# KiCad board RP2040-Breadstick Panel.kicad_pcb (continued)
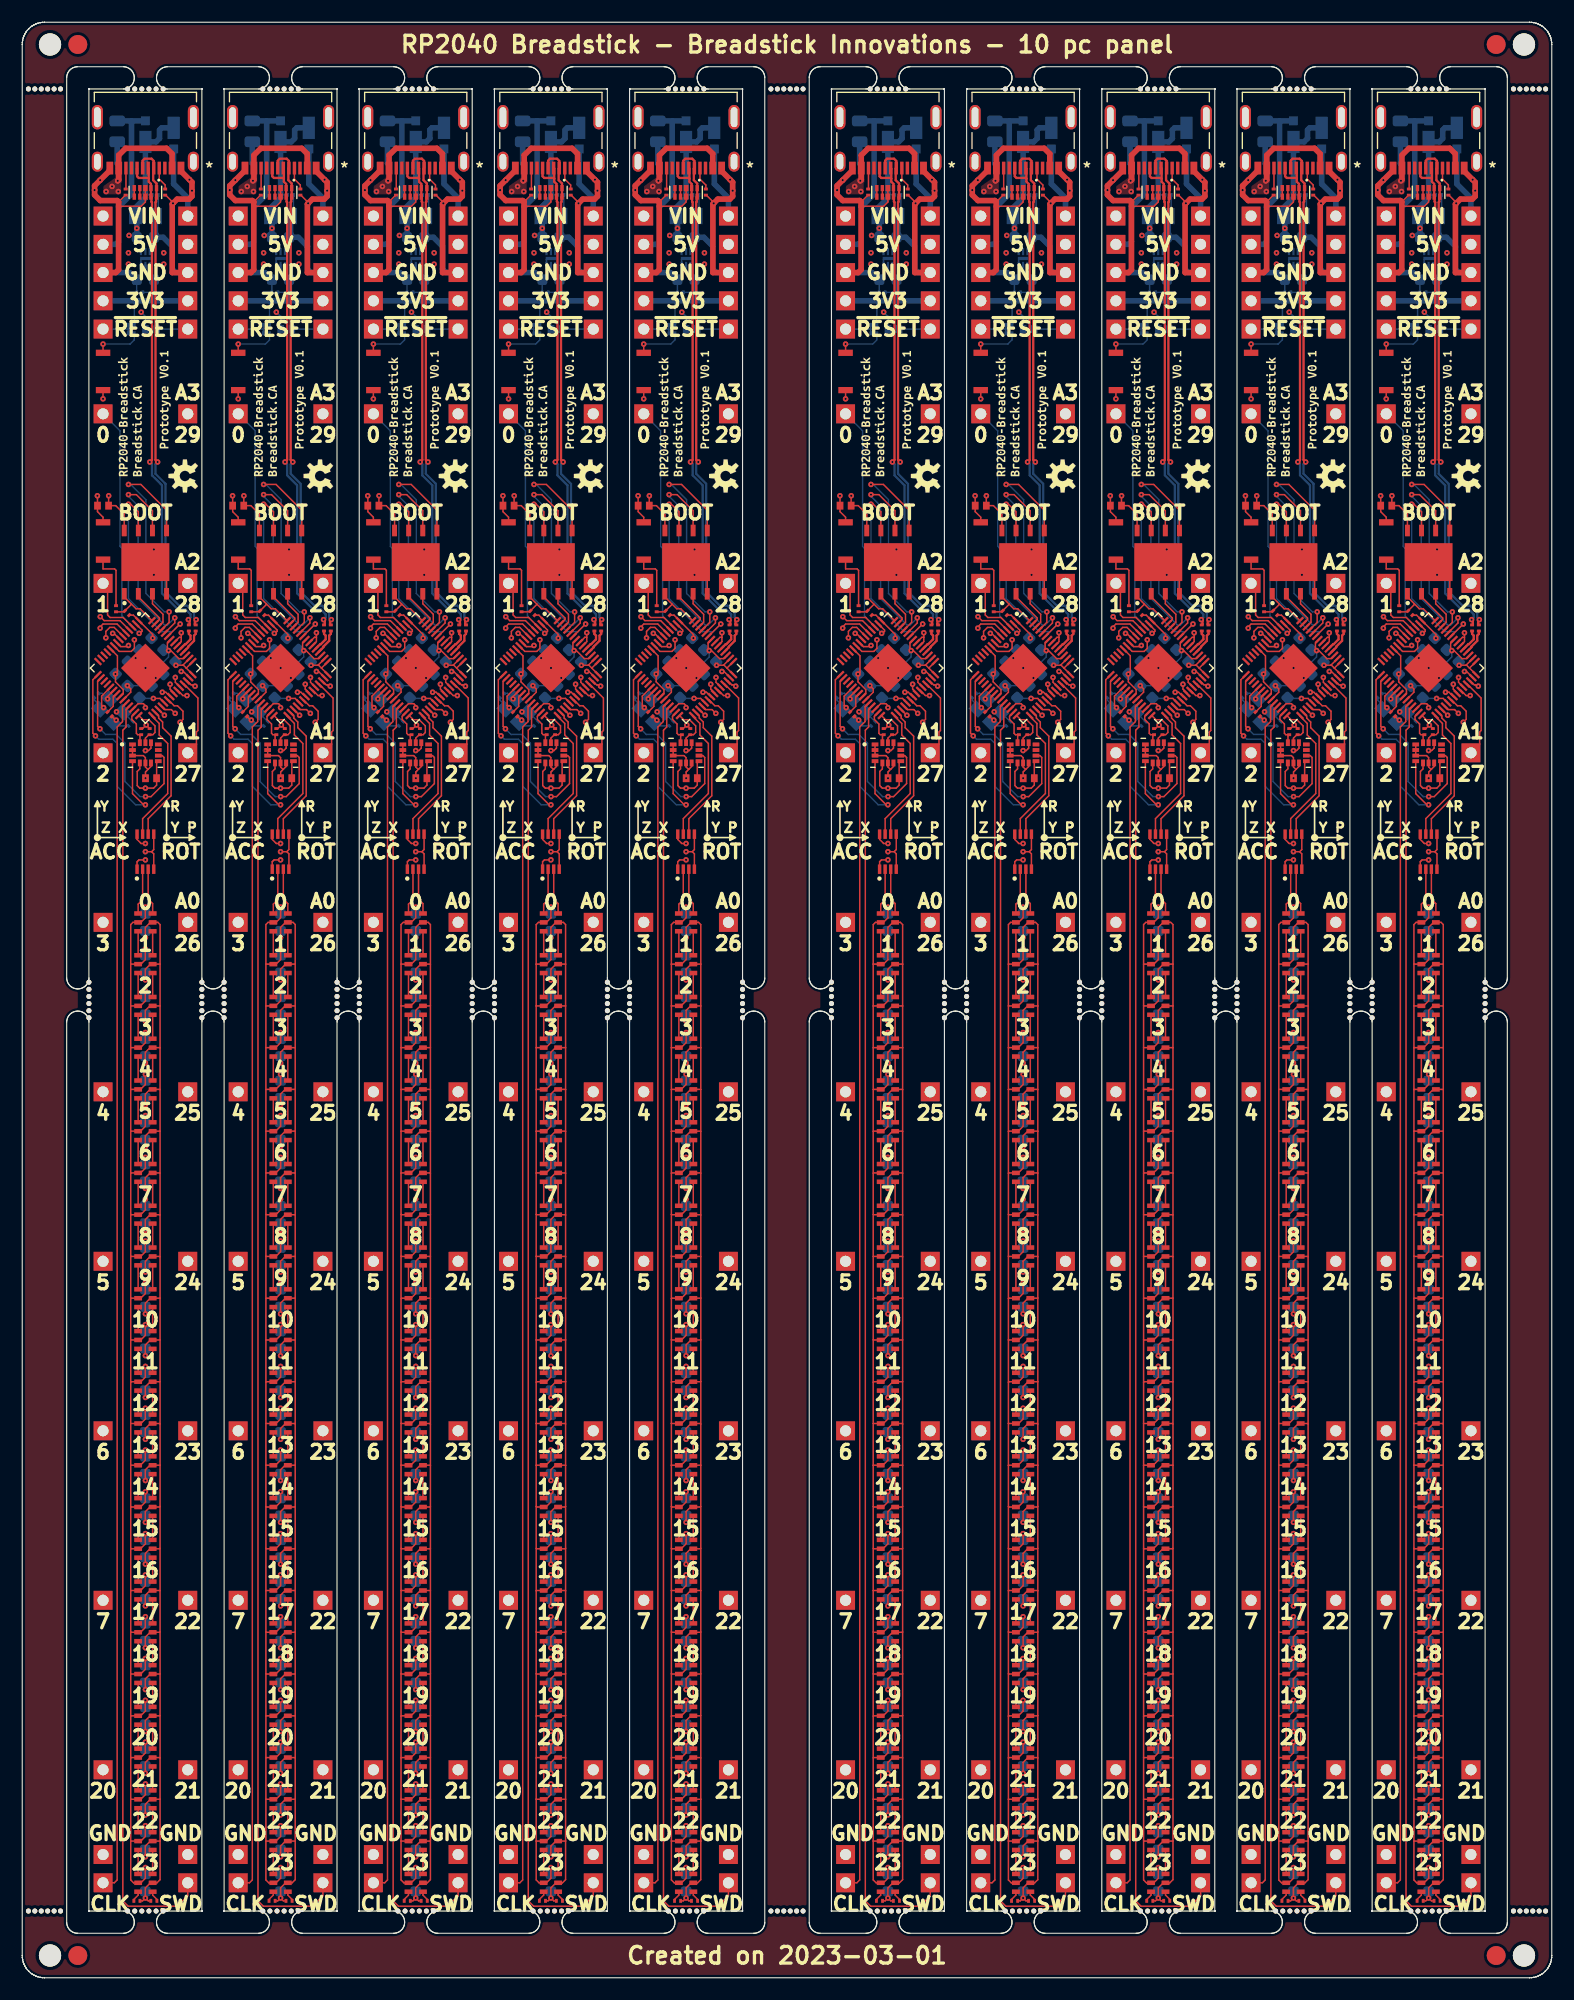
[diagram p0: board, top side]
## Routing (per net, layer and track width the routed paths; a pad name or vN(x,y) marks a point on that pad's centre or on a via; arc(x,y) is an arc through that point) (continued)
Board_3-+1V1: length 10.2
  L1_SIG.Cu w0.127: U201#2.23 46.24,115.59 46.24,115.88 v1(45.94,116.18) ; U201#2.45 50.96,118.61 50.57,118.61 49.85,119.33 v1(49.64,119.33) 49.54,119.44 49.54,120.02 U201#2.50
  L8_SIG.Cu w0.127: v1(49.64,119.33) 49.64,118.76 47.06,116.18 v1(45.94,116.18)
Board_3-/Addressable RGB LEDs/CLK: length 4.1
  L1_SIG.Cu w0.127: IC301#6.2 47.31,96.94 46.91,96.54 LED301.4
Board_3-/Addressable RGB LEDs/DATA: length 4.1
  L1_SIG.Cu w0.127: IC301#6.3 47.81,96.99 48.21,96.59 LED301.3
Board_3-/RP2040/ADC0: length 26.2
  L1_SIG.Cu w0.127: U201#2.38 50.25,116.48 v1(50.25,116.92)
  L3_SIG.Cu w0.127: J220#6.1 51.37,107.85 50.25,108.97 50.25,111.27 51.84,111.27 52.28,111.71 52.28,115.02 50.38,116.92 v1(50.25,116.92)
Board_3-/RP2040/ADC1: length 7.1
  L1_SIG.Cu w0.127: J219#4.1 52.15,110.92 52.15,112.01 52.28,112.15 52.28,115.07 51.03,116.32 U201#2.39
Board_3-/RP2040/ADC2: length 12.9
  L1_SIG.Cu w0.127: U201#2.40 51.32,116.6 51.67,116.25 51.78,116.25 51.9,116.13 v1(52.03,116.13)
  L3_SIG.Cu w0.127: v1(52.03,116.13) 52.03,118.91 49.16,121.78 49.16,124.11 50.43,125.38 J218#10.1
Board_3-/RP2040/ADC3: length 26.9
  L1_SIG.Cu w0.127: U201#2.41 50.98,117.46 v1(50.79,117.46)
  L3_SIG.Cu w0.127: v1(50.79,117.46) 51.14,117.81 51.14,118.62 48.14,121.62 48.14,124.45 49.67,125.98 49.67,128.07 51.37,129.77 J217.1
Board_3-/RP2040/D0: length 22.3
  L1_SIG.Cu w0.127: v1(47,120.88) 47.08,120.88 47.26,121.06 47.26,121.18 U201#2.2
  L8_SIG.Cu w0.127: v1(47,120.88) 45.45,122.43 45.45,128.53 45.27,128.71 45.27,139.1 J205#4.1
Board_3-/RP2040/D1: length 5.7
  L1_SIG.Cu w0.127: J206#8.1 44.16,124.97 44.16,122.54 44.39,122.31 45.56,122.31 U201#2.3
Board_3-/RP2040/D2: length 16.5
  L1_SIG.Cu w0.127: U201#2.4 45.27,122.03 43.85,122.03 v1(43.5,122.38)
  L3_SIG.Cu w0.127: v1(43.5,122.38) 42.86,121.74 42.86,113.26 43.19,112.93 43.62,112.93 44.02,112.53 44.02,111.43 43.75,111.16 J207#2.1
Board_3-/RP2040/D3: length 30.6
  L1_SIG.Cu w0.127: v1(43.49,121.35) 43.49,121.46 43.75,121.72 45.01,121.72 U201#2.5
  L3_SIG.Cu w0.127: v1(43.49,121.35) 43.47,121.33 43.47,114.94 43.29,114.76 43.29,114.03 44.88,112.44 44.88,108.93 43.75,107.8 J208#10.1
Board_3-/RP2040/D4: length 44.8
  L1_SIG.Cu w0.127: U201#2.6 44.75,121.42 44.36,121.42 44,121.06 v1(44,120.48)
  L3_SIG.Cu w0.127: J209#10.1 43.75,92.33 44.88,93.46 44.88,108.2 45.34,108.66 45.34,112.5 45.5,112.66 45.5,114.39 44,115.89 v1(44,120.48)
Board_3-/RP2040/D5: length 59
  L1_SIG.Cu w0.127: v1(44.61,120.88) 44.72,120.88 U201#2.7
  L3_SIG.Cu w0.127: v1(44.61,120.88) 44.61,117.89 44.36,117.63 44.36,116.98 45.87,115.47 45.87,112.25 45.8,112.18 45.8,108.31 45.47,107.98 45.47,92.85 44.89,92.27 44.89,78.22 43.75,77.08 J210#10.1
Board_3-/RP2040/D6: length 73.9
  L1_SIG.Cu w0.127: v1(46.04,119.79) 45.93,119.69 45.35,119.69 U201#2.8
  L3_SIG.Cu w0.127: v1(46.04,119.79) 45.68,119.79 45.4,119.51 45.4,117.72 46.46,116.66 46.46,114.03 46.27,113.84 46.27,112.07 46.21,112.01 46.21,108.08 46.06,107.93 46.06,92.21 45.54,91.69 45.54,63.31 43.75,61.52 J211#4.1
Board_3-/RP2040/D7: length 91.4
  L1_SIG.Cu w0.127: v1(46.57,120.3) 46.57,119.54 46.29,119.26 45.21,119.26 U201#2.9
  L3_SIG.Cu w0.127: v1(46.57,120.3) 46.57,119.33 46.17,118.93 46.17,118.17 47.23,117.11 47.23,114.79 46.89,114.45 46.89,113.42 46.66,113.19 46.66,107.8 46.54,107.68 46.54,91.44 46.3,91.2 46.3,62.09 45.08,60.87 45.08,44.1 43.75,42.77 J212#7.1
Board_3-/RP2040/D20: length 98.8
  L1_SIG.Cu w0.127: v1(49.27,113.52) 49.25,113.52 U201#2.31
  L3_SIG.Cu w0.127: v1(49.27,113.52) 47.75,113.52 47.07,112.84 47.07,61.15 46.33,60.41 46.33,32.49 43.75,29.91 J204#8.1
Board_3-/RP2040/D21: length 99.2
  L1_SIG.Cu w0.127: U201#2.32 49.31,114.03 49.9,114.03 50.23,113.69 v1(50.24,113.69)
  L3_SIG.Cu w0.127: v1(50.24,113.69) 50.04,113.49 50.04,113.17 49.87,113 49.07,113 48.07,112 48.07,61.15 48.82,60.4 48.82,32.39 51.37,29.84 J203#6.1
Board_3-/RP2040/D22: length 84.5
  L1_SIG.Cu w0.127: v1(50.68,112.89) 50.94,113.15 50.94,113.88 50.45,114.37 50.15,114.37 49.61,114.91 U201#2.34
  L3_SIG.Cu w0.127: v1(50.68,112.89) 50.4,112.61 49.33,112.61 48.54,111.82 48.54,107.82 48.62,107.74 48.62,91.48 48.85,91.25 48.85,62.28 50.07,61.06 50.07,44.18 51.31,42.94 51.31,34 J213.1
Board_3-/RP2040/D23: length 71.1
  L1_SIG.Cu w0.127: U201#2.35 49.79,115.19 49.39,115.59 v1(49.08,115.59)
  L3_SIG.Cu w0.127: v1(49.08,115.59) 49.4,115.59 51.2,113.79 51.2,112.48 50.96,112.24 49.54,112.24 49,111.7 49,108.08 49.14,107.94 49.14,92.01 49.59,91.56 49.59,63.31 51.37,61.53 J214#7.1
Board_3-/RP2040/D24: length 56.2
  L1_SIG.Cu w0.127: U201#2.36 50.13,115.52 49.78,115.87 v1(49.78,116.31)
  L3_SIG.Cu w0.127: v1(49.78,116.31) 49.78,115.87 51.57,114.08 51.57,112.19 51.29,111.92 49.74,111.92 49.42,111.6 49.42,108.31 49.68,108.05 49.68,92.71 50.24,92.15 50.24,78.12 51.37,76.99 J215#2.1
Board_3-/RP2040/D25: length 39.4
  L1_SIG.Cu w0.127: v1(51.3,115.29) 50.93,115.29 50.46,115.76 U201#2.37
  L3_SIG.Cu w0.127: v1(51.3,115.29) 51.92,114.67 51.92,111.95 51.6,111.63 50.02,111.63 49.83,111.44 49.83,108.69 50.25,108.27 50.25,93.35 51.37,92.23 J202#7.1
Board_3-/RP2040/MCU_QSPI_CSN: length 5.4
  L1_SIG.Cu w0.127: 46.28,123.54 46.72,123.09 47.08,123.09 U201#2.56 ; 46.28,123.54 46.28,123.47 R205#8.2 45.63,122.82 R204#4.2 ; 46.28,123.54 45.66,124.16 U203#2.1
Board_3-/RP2040/MCU_QSPI_SCLK: length 20.6
  L1_SIG.Cu w0.127: v1(50.2,122.28) 50.2,121.82 U201#2.52 ; U203#2.6 48.2,131.91 46.75,133.36 v1(46.04,133.36)
  L8_SIG.Cu w0.127: v1(50.2,122.28) 49.54,121.62 49.29,121.62 46.9,124.01 46.9,132.34 46.04,133.2 v1(46.04,133.36)
Board_3-/RP2040/MCU_QSPI_SD0: length 21.5
  L1_SIG.Cu w0.127: U203#2.5 49.47,131.96 47.15,134.27 v1(46.04,134.27) ; v1(49.69,122.81) 49.69,121.87 U201#2.53
  L8_SIG.Cu w0.127: v1(46.04,134.27) 46.24,134.27 47.61,132.9 47.61,124.47 49.26,122.81 v1(49.69,122.81)
Board_3-/RP2040/MCU_QSPI_SD1: length 3.6
  L1_SIG.Cu w0.127: U201#2.55 48.83,122.14 48.83,122.26 46.92,124.16 U203#2.2
Board_3-/RP2040/MCU_QSPI_SD2: length 3.5
  L1_SIG.Cu w0.127: U203#2.3 48.2,123.55 49.14,122.6 49.14,121.89 U201#2.54
Board_3-/RP2040/MCU_QSPI_SD3: length 19.1
  L1_SIG.Cu w0.127: v1(46.04,132.49) 46.24,132.49 46.92,131.81 U203#2.7 ; v1(50.68,121.72) 50.67,121.72 U201#2.51
  L8_SIG.Cu w0.127: v1(50.68,121.72) 50,121.04 49.01,121.04 46.04,124.01 v1(46.04,132.49)
Board_3-/RP2040/MCU_USB_D+: length 2.1
  L1_SIG.Cu w0.2: U201#2.47 51.12,119.91 51.18,119.91
  L1_SIG.Cu w0.203: 51.18,119.91 51.62,120.35 51.62,120.68 51.47,120.83 R203#3.1
Board_3-/RP2040/MCU_USB_D-: length 2.3
  L1_SIG.Cu w0.2: U201#2.46 51.41,119.63 51.41,119.68
  L1_SIG.Cu w0.203: 51.41,119.68 51.94,120.21 51.94,120.68 52.08,120.83 R202#9.1
Board_3-/RP2040/USB_D+: length 45.2
  L1_SIG.Cu w0.203: 47.86,161.77 47.8,161.83 46.96,161.83 46.81,161.98 J221#8.B6 ; 47.86,161.77 47.86,162.67 J221#8.A6 ; 47.86,161.77 47.86,161.49 48.06,161.29 U202#7.2 U202#7.9 48.1,160.11 48.1,159.7 48.15,159.64 48.15,136.48 v1(47.96,136.29) ; R203#3.2 51.54,121.71 51.54,122 v1(51.43,122.12)
  L8_SIG.Cu w0.203: v1(51.43,122.12) 51.62,122.31 51.62,122.6 51.16,123.05 50.47,123.05 49.05,124.47 49.05,134.19 48.15,135.09 48.15,136.1 v1(47.96,136.29)
Board_3-/RP2040/USB_D-: length 45.9
  L1_SIG.Cu w0.203: v1(52.13,122.12) 52.01,122 52.01,121.71 R202#9.2 ; J221#8.A7 47.31,163.38 47.49,163.56 48.11,163.56 48.31,163.36 J221#8.B7 48.26,162.67 48.26,161.63 48.56,161.33 U202#7.1 U202#7.10 48.52,160.11 48.52,159.7 48.47,159.64 48.47,136.48 v1(48.66,136.29)
  L8_SIG.Cu w0.203: v1(52.13,122.12) 51.94,122.31 51.94,122.73 51.3,123.37 50.61,123.37 49.37,124.61 49.37,134.33 48.47,135.23 48.47,136.1 v1(48.66,136.29)
Board_3-/RP2040/~{RESET}: length 49.9
  L1_SIG.Cu w0.127: U201#2.26 46.91,114.56 47.38,114.56 47.56,114.38 v1(47.56,114.2)
  L3_SIG.Cu w0.127: 46.92,148.24 46.92,121.77 47.61,121.09 47.61,118.52 48.19,117.94 48.19,117.49 47.79,117.09 47.79,114.43 v1(47.56,114.2)
  L3_SIG.Cu w0.5: J201#5.1 J222#10.1
  L8_SIG.Cu w0.127: C207#4.1 J201#5.1 ; 46.02,148.22 45.99,148.24 J222#10.1 ; 46.02,148.22 R211#4.2 ; 46.02,148.22 R208#9.2
Board_3-GND: length 241.1
  L1_SIG.Cu w0.127: 48.12,101.25 48.31,101.44 IC301#6.5 ; 48.12,101.25 v1(47.56,101.25) ; 48.12,101.25 48.31,101.06 IC301#6.4 ; U202#7.3 U202#7.8 47.56,159.67 47.18,159.29 45.15,159.29 ; 48.88,12.3 48.87,12.29 LED323#10.2 48.01,12.29 47.56,11.84 v1(47.56,10.88) ; 48.88,12.3 48.88,8.82 48.6,8.54 LED324#8.2 48.01,8.54 47.56,8.08 v1(47.56,7.17) ; 48.88,12.3 48.88,16.06 ; v1(47.56,7.17) 47.31,6.91 R304#8.2 ; v1(47.56,7.17) 47.81,6.91 R305#2.2 ; 48.88,38.61 48.88,34.8 ; 48.88,38.61 48.84,38.57 LED316#5.2 47.98,38.57 47.56,38.16 v1(47.56,37.19) ; 48.88,38.61 48.88,42.37 ; 48.88,34.8 48.88,31.1 ; 48.88,34.8 48.87,34.82 LED317#6.2 47.98,34.82 47.56,34.4 v1(47.56,33.43) ; 47.81,108.67 47.76,108.67 47.56,108.87 U401#4.6 47.56,109.71 47.38,109.89 U401#4.3 U401#4.2 U401#4.1 ; 47.81,108.67 47.57,108.42 v1(47.57,107.86) C401#4.2 ; 47.81,108.67 48.06,108.91 U401#4.7 ; 48.88,49.79 48.88,46.08 ; 48.88,49.79 48.88,53.6 ; 48.88,49.79 48.83,49.84 LED313.2 48.01,49.84 47.56,49.38 v1(47.56,48.42) ; 48.88,46.08 LED314#8.2 47.97,46.08 47.56,45.67 v1(47.56,44.71) ; 48.88,46.08 48.88,42.37 ; v1(50.04,159.55) 50.04,159.63 49.38,160.28 R207#2.2 ; 48.88,27.34 48.88,23.58 ; 48.88,27.34 48.88,31.1 ; 48.88,27.34 48.85,27.31 LED319.2 47.99,27.31 47.56,26.88 v1(47.56,25.91) ; 48.88,23.58 48.86,23.55 LED320#5.2 47.99,23.55 47.56,23.12 v1(47.56,22.15) ; 48.88,23.58 48.88,19.77 ; U203#2.4 49.47,127.29 v1(48.32,128.43) ; 48.88,16.06 48.87,16.04 LED322.2 48,16.04 47.56,15.6 v1(47.56,14.64) ; 48.88,16.06 48.88,19.77 ; v1(48.32,126.14) 48.32,126.52 U203#2.9 ; v1(47.56,89.72) 47.56,90.68 48.02,91.14 LED302#7.2 48.88,91.14 ; v1(47.56,78.49) 47.56,79.46 47.98,79.88 LED305#5.2 48.87,79.88 48.88,79.86 ; v1(47.56,59.7) 47.56,60.66 48,61.1 LED310#8.2 48.86,61.1 48.88,61.12 ; 48.88,53.6 48.87,53.59 LED312#4.2 48.01,53.59 47.56,53.14 v1(47.56,52.18) ; 48.88,53.6 48.88,57.36 ; 48.88,87.38 48.88,83.62 ; 48.88,87.38 48.88,91.14 ; 48.88,87.38 48.88,87.39 LED303#7.2 47.97,87.39 47.56,86.98 v1(47.56,86.01) ; 48.88,83.62 48.87,83.63 LED304#8.2 47.97,83.63 47.56,83.22 v1(47.56,82.25) ; 48.88,83.62 48.88,79.86 ; 48.88,91.14 48.88,94.7 48.68,94.9 LED301.2 48.01,94.9 47.56,94.44 v1(47.56,93.53) ; 48.88,76.1 48.86,76.12 LED306#3.2 47.98,76.12 47.56,75.7 v1(47.56,74.73) ; 48.88,76.1 48.88,79.86 ; 48.88,76.1 48.88,72.34 ; 48.88,64.83 48.88,61.12 ; 48.88,64.83 48.85,64.86 LED309#8.2 48,64.86 47.56,64.42 v1(47.56,63.45) ; 48.88,64.83 48.88,68.59 ; 48.88,61.12 48.88,57.36 ; 48.88,68.59 48.85,68.61 LED308#2.2 47.99,68.61 47.56,68.18 v1(47.56,67.21) ; 48.88,68.59 48.88,72.34 ; 48.88,19.77 48.85,19.8 LED321#5.2 48,19.8 47.56,19.36 v1(47.56,18.4) ; 48.88,31.1 48.85,31.06 LED318#7.2 47.99,31.06 47.56,30.64 v1(47.56,29.67) ; 48.88,42.37 48.84,42.33 LED315#9.2 47.97,42.33 47.56,41.92 v1(47.56,40.95) ; v1(43.8,114.2) 43.62,114.38 43.62,115.24 U201#2.19 ; v1(47.56,70.97) 47.56,71.94 47.99,72.37 LED307#4.2 48.86,72.37 48.88,72.34 ; 48.88,57.36 48.87,57.35 LED311#8.2 48.01,57.35 47.56,56.9 v1(47.56,55.94) ; R206#9.2 45.76,160.28 45.16,159.68 45.13,159.68 ; v1(43.24,133.25) 43.25,133.25 C216#7.2 43.25,131.82 43.75,131.32 SW201#9.1 ; SW202#7.1 v1(43.75,141.97)
  L1_SIG.Cu w0.5: J221#8.A1/B12 50.76,162.44 v1(51.52,161.68) 51.75,161.45 v1(51.75,160.69) 51.75,160.18 51.5,159.92 50.42,159.92 v1(50.04,159.55) 49.97,159.48 49.97,153.32 J506#8.1 ; J505#10.1 44.89,153.32 45.15,153.57 45.15,159.67 45.02,159.8 43.5,159.8 42.99,160.31 v1(42.99,160.74) 42.99,161.13 v1(43.49,161.63) 44.36,162.5 J221#8.B1/A12
  L3_SIG.Cu w0.5: J505#10.1 J506#8.1
  L8_SIG.Cu w0.127: v1(47.56,82.25) C306#10.2 ; v1(47.56,22.15) C322#7.2 ; v1(47.56,40.95) C317.2 ; U501#8.7 47.23,154.59 47.16,154.52 U501#8.3 ; v1(47.18,149.76) 47.57,149.38 C207#4.2 ; C309#4.2 47.56,71.58 v1(47.56,70.97) ; v1(47.56,86.01) C305#4.2 ; v1(47.56,18.4) C323#6.2 ; C201#8.2 42.97,114.88 43.45,114.41 ; v1(47.56,93.53) 47.56,94.13 ; C501#8.2 48.72,158.66 R501#3.1 ; v1(47.56,10.88) C325#4.2 ; v1(47.56,67.21) C310#6.2 ; v1(47.56,89.72) C304#10.2 ; v1(47.56,52.18) C314#8.2 ; v1(47.56,78.49) C307#8.2 ; C203#2.2 46.4,112.95 45.57,113.78 Y201#4.2 ; R502#8.1 46.78,152.68 C503#4.2 ; v1(47.56,74.73) 47.56,75.34 C308#8.2 ; v1(47.56,14.64) C324#8.2 ; v1(47.56,63.45) C311#8.2 ; v1(47.56,44.71) C316#2.2 ; v1(47.56,29.67) C320#9.2 ; v1(47.56,55.94) C313#5.2 ; v1(47.56,33.43) C319#4.2 ; v1(47.56,37.19) C318#10.2 ; v1(47.56,7.17) C326#5.2 ; v1(47.56,59.7) C312#7.2 ; v1(47.56,48.42) C315#3.2 ; v1(47.56,25.91) C321#5.2
  L8_SIG.Cu w0.203: C503#4.2 47.16,153.06 U501#8.3
  L8_SIG.Cu w0.5: C503#4.2 46.77,152.69 46.14,153.32 J505#10.1 ; C501#8.2 48.46,156.62 C502#9.2 49.16,156.5 49.97,155.68 49.97,153.62 50.28,153.32 J506#8.1
  vias: v1(44.96,113.83) v1(46.68,118.66) v1(47.57,117.77) v1(48.49,116.87)
Board_3-IMU_INT1: length 19.6
  L1_SIG.Cu w0.127: v1(47.56,105.47) 47.4,105.47 46.4,106.47 U401#4.4 ; v1(43.07,111.66) 42.83,111.9 42.83,116.71 U201#2.15
  L8_SIG.Cu w0.127: v1(43.07,111.66) 43.37,111.36 44.64,111.36 45.04,110.96 45.04,107.11 46.68,105.47 v1(47.56,105.47)
Board_3-IMU_INT2: length 18.5
  L1_SIG.Cu w0.127: U401#4.9 49.07,109.89 49.24,109.72 49.24,107.37 48.07,106.2 v1(47.57,106.2) ; U201#2.16 43.26,116.57 43.26,112.51 v1(43.47,112.3)
  L8_SIG.Cu w0.127: v1(47.57,106.2) 47.08,106.2 45.72,107.56 45.72,111.01 44.94,111.79 43.98,111.79 v1(43.47,112.3)
Board_3-IMU_SCL: length 3.9
  L1_SIG.Cu w0.127: U201#2.28 47.34,113.12 47.87,113.12 48.42,112.56 48.42,111.97 48.22,111.77 R210#8.1 47.87,111.77 47.56,111.46 U401#4.13
Board_3-IMU_SDA: length 3.4
  L1_SIG.Cu w0.127: U201#2.27 46.34,113.43 46.34,113.14 46.75,112.73 46.75,111.89 46.87,111.77 R209#7.1 47.07,111.66 47.07,111.06 U401#4.14
Board_3-LED_CLK: length 12.2
  L1_SIG.Cu w0.127: IC301#6.7 47.31,104.23 49.57,106.48 49.57,110.98 48.8,111.74 48.8,112.78 48.15,113.44 U201#2.29
Board_3-LED_DATA: length 12.4
  L1_SIG.Cu w0.127: IC301#6.6 47.81,104.22 49.87,106.28 49.87,111.64 49.11,112.4 49.11,112.91 48.75,113.26 48.75,113.45 U201#2.30
Board_3-Net-(C201-Pad1): length 2
  L1_SIG.Cu w0.127: U201#2.20 44.16,115.2 v1(44.16,114.99)
  L8_SIG.Cu w0.127: v1(44.16,114.99) 43.66,115.49 C201#8.1
Board_3-Net-(C203-Pad1): length 2.1
  L1_SIG.Cu w0.127: R201#4.1 44.87,113.08 v1(44.93,113.08)
  L8_SIG.Cu w0.127: C203#2.1 44.93,112.56 Y201#4.3
Board_3-Net-(J221-PadA5): length 2.1
  L1_SIG.Cu w0.127: R207#2.1 49.34,161.19 48.81,161.72 J221#8.A5
Board_3-Net-(J221-PadB5): length 1.9
  L1_SIG.Cu w0.127: J221#8.B5 45.81,160.86 R206#9.1
Board_3-Net-(LED301-Pad1): length 2.2
  L1_SIG.Cu w0.127: LED301.1 LED302#7.3
Board_3-Net-(LED301-Pad6): length 2.2
  L1_SIG.Cu w0.127: LED301.6 LED302#7.4
Board_3-Net-(LED302-Pad1): length 2.2
  L1_SIG.Cu w0.127: LED302#7.1 LED303#7.3
Board_3-Net-(LED302-Pad6): length 2.2
  L1_SIG.Cu w0.127: LED302#7.6 LED303#7.4
Board_3-Net-(LED303-Pad1): length 2.2
  L1_SIG.Cu w0.127: LED303#7.1 LED304#8.3
Board_3-Net-(LED303-Pad6): length 2.2
  L1_SIG.Cu w0.127: LED303#7.6 LED304#8.4
Board_3-Net-(LED304-Pad1): length 2.2
  L1_SIG.Cu w0.127: LED304#8.1 LED305#5.3
Board_3-Net-(LED304-Pad6): length 2.2
  L1_SIG.Cu w0.127: LED304#8.6 LED305#5.4
Board_3-Net-(LED305-Pad1): length 2.2
  L1_SIG.Cu w0.127: LED305#5.1 LED306#3.3
Board_3-Net-(LED305-Pad6): length 2.2
  L1_SIG.Cu w0.127: LED305#5.6 LED306#3.4
Board_3-Net-(LED306-Pad1): length 2.2
  L1_SIG.Cu w0.127: LED306#3.1 LED307#4.3
Board_3-Net-(LED306-Pad6): length 2.2
  L1_SIG.Cu w0.127: LED306#3.6 LED307#4.4
Board_3-Net-(LED307-Pad1): length 2.2
  L1_SIG.Cu w0.127: LED307#4.1 LED308#2.3
Board_3-Net-(LED307-Pad6): length 2.2
  L1_SIG.Cu w0.127: LED307#4.6 LED308#2.4
Board_3-Net-(LED308-Pad1): length 2.2
  L1_SIG.Cu w0.127: LED308#2.1 LED309#8.3
Board_3-Net-(LED308-Pad6): length 2.2
  L1_SIG.Cu w0.127: LED308#2.6 LED309#8.4
Board_3-Net-(LED309-Pad1): length 2.2
  L1_SIG.Cu w0.127: LED309#8.1 LED310#8.3
Board_3-Net-(LED309-Pad6): length 2.2
  L1_SIG.Cu w0.127: LED309#8.6 LED310#8.4
Board_3-Net-(LED310-Pad1): length 2.2
  L1_SIG.Cu w0.127: LED310#8.1 LED311#8.3
Board_3-Net-(LED310-Pad6): length 2.2
  L1_SIG.Cu w0.127: LED310#8.6 LED311#8.4
Board_3-Net-(LED311-Pad1): length 2.2
  L1_SIG.Cu w0.127: LED311#8.1 LED312#4.3
Board_3-Net-(LED311-Pad6): length 2.2
  L1_SIG.Cu w0.127: LED311#8.6 LED312#4.4
Board_3-Net-(LED312-Pad1): length 2.2
  L1_SIG.Cu w0.127: LED312#4.1 LED313.3
Board_3-Net-(LED312-Pad6): length 2.2
  L1_SIG.Cu w0.127: LED312#4.6 LED313.4
Board_3-Net-(LED313-Pad1): length 2.2
  L1_SIG.Cu w0.127: LED313.1 LED314#8.3
Board_3-Net-(LED313-Pad6): length 2.2
  L1_SIG.Cu w0.127: LED313.6 LED314#8.4
Board_3-Net-(LED314-Pad1): length 2.2
  L1_SIG.Cu w0.127: LED314#8.1 LED315#9.3
Board_3-Net-(LED314-Pad6): length 2.2
  L1_SIG.Cu w0.127: LED314#8.6 LED315#9.4
Board_3-Net-(LED315-Pad1): length 2.2
  L1_SIG.Cu w0.127: LED315#9.1 LED316#5.3
Board_3-Net-(LED315-Pad6): length 2.2
  L1_SIG.Cu w0.127: LED315#9.6 LED316#5.4
Board_3-Net-(LED316-Pad1): length 2.2
  L1_SIG.Cu w0.127: LED316#5.1 LED317#6.3
Board_3-Net-(LED316-Pad6): length 2.2
  L1_SIG.Cu w0.127: LED316#5.6 LED317#6.4
Board_3-Net-(LED317-Pad1): length 2.2
  L1_SIG.Cu w0.127: LED317#6.1 LED318#7.3
Board_3-Net-(LED317-Pad6): length 2.2
  L1_SIG.Cu w0.127: LED317#6.6 LED318#7.4
Board_3-Net-(LED318-Pad1): length 2.2
  L1_SIG.Cu w0.127: LED318#7.1 LED319.3
Board_3-Net-(LED318-Pad6): length 2.2
  L1_SIG.Cu w0.127: LED318#7.6 LED319.4
Board_3-Net-(LED319-Pad1): length 2.2
  L1_SIG.Cu w0.127: LED319.1 LED320#5.3
Board_3-Net-(LED319-Pad6): length 2.2
  L1_SIG.Cu w0.127: LED319.6 LED320#5.4
Board_3-Net-(LED320-Pad1): length 2.2
  L1_SIG.Cu w0.127: LED320#5.1 LED321#5.3
Board_3-Net-(LED320-Pad6): length 2.2
  L1_SIG.Cu w0.127: LED320#5.6 LED321#5.4
Board_3-Net-(LED321-Pad1): length 2.2
  L1_SIG.Cu w0.127: LED321#5.1 LED322.3
Board_3-Net-(LED321-Pad6): length 2.2
  L1_SIG.Cu w0.127: LED321#5.6 LED322.4
Board_3-Net-(LED322-Pad1): length 2.2
  L1_SIG.Cu w0.127: LED322.1 LED323#10.3
Board_3-Net-(LED322-Pad6): length 2.2
  L1_SIG.Cu w0.127: LED322.6 LED323#10.4
Board_3-Net-(LED323-Pad1): length 2.2
  L1_SIG.Cu w0.127: LED323#10.1 LED324#8.3
Board_3-Net-(LED323-Pad6): length 2.2
  L1_SIG.Cu w0.127: LED323#10.6 LED324#8.4
Board_3-Net-(LED324-Pad1): length 1
  L1_SIG.Cu w0.127: R305#2.1 48.6,7.05 48.21,7.43 LED324#8.1
Board_3-Net-(LED324-Pad6): length 1
  L1_SIG.Cu w0.127: LED324#8.6 46.91,7.43 46.52,7.05 R304#8.1
Board_3-Net-(R201-Pad2): length 2
  L1_SIG.Cu w0.127: U201#2.21 44.66,115.15 44.66,114.32 R201#4.2
Board_3-Net-(R204-Pad1): length 5.2
  L1_SIG.Cu w0.127: R204#4.1 44.92,126.55 44.79,126.68 43.75,126.68 SW201#9.2
Board_3-Net-(R211-Pad1): length 4.3
  L1_SIG.Cu w0.127: SW202#7.2 v1(43.75,146.89)
  L8_SIG.Cu w0.127: 46.56,147.86 46.56,147.27 46.19,146.89 v1(43.75,146.89)
Board_3-Net-(U202-Pad4): length 0.8
  L1_SIG.Cu w0.127: U202#7.4 U202#7.7
Board_3-Net-(U202-Pad5): length 0.8
  L1_SIG.Cu w0.127: U202#7.5 U202#7.6
Board_3-SWCLK: length 107.5
  L1_SIG.Cu w0.127: U201#2.24 45.5,114.29 45.5,112.95 45.02,112.46 45.02,8.79 44.77,8.54 J223#5.1
Board_3-SWD: length 115.3
  L1_SIG.Cu w0.127: J224.1 51.37,7.37 50.43,6.43 46.01,6.43 45.53,6.91 45.53,112.17 45.82,112.46 45.82,114.04 U201#2.25
Board_3-VBUS: length 12.5
  L1_SIG.Cu w0.5: J221#8.A4/B9 49.96,164 49.47,164.5 45.78,164.5 45.16,163.87 J221#8.B4/A9 45.16,161.66 v1(45.07,161.58)
  L8_SIG.Cu w0.5: v1(45.07,161.58) 45.15,161.65 45.15,163 45.02,163.12 F501.1
  vias: v1(44.03,160.61) v1(44.56,161.07) v1(45.12,160.61)
Board_3-VHI: length 174.3
  L1_SIG.Cu w0.127: 46.24,23.53 46.27,23.55 LED320#5.5 47.13,23.55 47.56,23.98 v1(47.56,24.95) ; 46.24,23.53 46.24,27.34 ; 46.24,23.53 46.24,19.77 ; v1(47.56,39.93) 47.56,39.02 47.11,38.57 LED316#5.5 46.28,38.57 46.24,38.61 ; v1(47.56,84.99) 47.56,84.08 47.11,83.63 LED304#8.5 46.25,83.63 46.24,83.62 ; 46.24,79.86 46.25,79.88 LED305#5.5 47.12,79.88 47.56,80.32 v1(47.56,81.23) ; 46.24,79.86 46.24,83.62 ; 46.24,79.86 46.24,76.1 ; 46.24,31.1 46.24,27.34 ; 46.24,31.1 46.27,31.06 LED318#7.5 47.12,31.06 47.56,31.5 v1(47.56,32.47) ; 46.24,31.1 46.24,34.8 ; 46.24,27.34 46.27,27.31 LED319.5 47.13,27.31 47.56,27.74 v1(47.56,28.71) ; v1(47.56,43.69) 47.56,42.78 47.11,42.33 LED315#9.5 46.28,42.33 46.24,42.37 ; 46.24,19.77 46.24,16.06 ; 46.24,19.77 46.27,19.8 LED321#5.5 47.14,19.8 47.56,20.22 v1(47.56,21.19) ; 46.24,16.06 46.25,16.04 LED322.5 47.14,16.04 47.56,16.46 v1(47.56,17.43) ; 46.24,16.06 46.24,12.3 ; 46.24,38.61 46.24,42.37 ; 46.24,38.61 46.24,34.8 ; 46.24,83.62 46.24,87.38 ; v1(47.56,62.49) 47.56,61.52 47.14,61.1 LED310#8.5 46.27,61.1 46.24,61.07 ; 46.24,91.14 46.24,87.38 ; 46.24,91.14 46.24,94.7 46.44,94.9 LED301.5 47.15,94.9 47.56,95.31 v1(47.56,96.27) ; 46.24,91.14 LED302#7.5 47.15,91.14 47.56,91.55 v1(47.56,92.51) ; 46.24,87.38 46.24,87.39 LED303#7.5 47.11,87.39 47.56,87.84 v1(47.56,88.75) ; 46.24,61.07 46.24,57.36 ; 46.24,61.07 46.24,64.88 ; 46.24,57.36 46.24,53.55 ; 46.24,57.36 46.25,57.35 LED311#8.5 47.14,57.35 47.56,57.77 v1(47.56,58.73) ; 46.24,68.64 46.26,68.61 LED308#2.5 47.13,68.61 47.56,69.04 v1(47.56,70.01) ; 46.24,68.64 46.24,72.34 ; 46.24,68.64 46.24,64.88 ; 46.24,12.3 46.24,8.79 46.5,8.54 LED324#8.5 47.15,8.54 47.56,8.95 v1(47.56,9.91) ; 46.24,12.3 46.25,12.29 LED323#10.5 47.14,12.29 47.56,12.71 v1(47.56,13.67) ; v1(47.56,100.51) 46.98,100.51 46.81,100.35 IC301#6.1 ; 46.24,53.55 46.28,53.59 LED312#4.5 47.15,53.59 47.56,54.01 v1(47.56,54.97) ; 46.24,53.55 46.24,49.84 ; 46.24,42.37 46.24,46.08 ; v1(47.56,66.25) 47.56,65.28 47.13,64.86 LED309#8.5 46.26,64.86 46.24,64.88 ; 46.24,46.08 LED314#8.5 47.1,46.08 47.56,46.54 v1(47.56,47.45) ; 46.24,46.08 46.24,49.84 ; v1(47.56,73.77) 47.56,72.8 47.12,72.37 LED307#4.5 46.26,72.37 46.24,72.34 ; 46.24,72.34 46.24,76.1 ; v1(47.56,77.53) 47.56,76.56 47.12,76.12 LED306#3.5 46.26,76.12 46.24,76.1 ; 46.24,49.84 46.24,49.84 LED313.5 47.15,49.84 47.56,50.25 v1(47.56,51.21) ; 46.24,34.8 46.25,34.82 LED317#6.5 47.12,34.82 47.56,35.26 v1(47.56,36.23)
  L8_SIG.Cu w0.127: v1(47.56,28.71) C321#5.1 ; v1(47.56,77.53) 47.56,76.92 C308#8.1 ; v1(47.56,88.75) C305#4.1 ; v1(47.56,54.97) C314#8.1 ; v1(47.56,9.91) C326#5.1 ; v1(47.56,70.01) C310#6.1 ; C309#4.1 47.56,73.16 v1(47.56,73.77) ; v1(47.56,32.47) C320#9.1 ; v1(47.56,62.49) C312#7.1 ; v1(47.56,58.73) C313#5.1 ; v1(47.56,96.27) C303#7.1 ; v1(47.56,84.99) C306#10.1 ; v1(47.56,17.43) C324#8.1 ; v1(47.56,21.19) C323#6.1 ; v1(47.56,51.21) C315#3.1 ; R501#3.2 47.69,160.31 47.56,160.43 ; v1(47.56,13.67) C325#4.1 ; v1(47.56,66.25) C311#8.1 ; v1(47.56,36.23) C319#4.1 ; v1(47.56,47.45) C316#2.1 ; v1(47.56,81.23) C307#8.1 ; v1(47.56,39.93) C318#10.1 ; v1(47.56,92.51) C304#10.1 ; v1(47.56,24.95) C322#7.1 ; v1(47.56,43.69) C317.1
  L8_SIG.Cu w0.5: D501#9.1 49.02,166.34 48.83,166.15 48.83,165.39 48.52,165.07 D502#8.1 47.56,160.05 46.66,159.15 C501#8.1 46.78,158.28 v1(46.78,157.31) C502#9.1
  vias: v1(46.04,155.1) v1(46.04,154.08) v1(46.09,156.66) v1(49.21,155.1) v1(49.21,154.08)
Board_3-VIN: length 14.2
  L3_SIG.Cu w0.5: J502#5.1 J501#10.1
  L8_SIG.Cu w0.5: J501#10.1 51.37,160.03 50.1,161.3 D501#9.2
Board_4-3V3_LDO: length 53.3
  L1_SIG.Cu w0.127: U401#9.8 60.73,109.24 C401#8.1 60.73,107.24 60.46,106.97 v1(59.72,106.97) 59.21,106.97 58.98,107.19 58.98,108.46 59.22,108.7 U401#9.5 ; 62.95,120.53 62.77,120.53 U201#10.49 ; 62.95,120.53 62.95,120.14 U201#10.48 ; 62.95,120.53 v1(62.95,120.94) ; U401#9.12 60.22,110.56 60,110.34 v1(59.72,110.34) ; R205.1 58.64,122.52 U201#10.1 60.38,120.78 v1(60.38,120.45) ; 63.4,117.76 63.14,118.01 63.09,118.01 ; 63.4,117.76 63.4,117.76 U201#10.43 ; 63.4,117.76 U201#10.42 ; U203#5.8 57.81,131.6 57.05,132.37 C216.1 56.41,133.25 v1(56.42,133.25) ; U201#10.10 57.21,118.86 57.21,117.4 v1(57.03,117.23) 57.03,116.52 57.73,115.82 57.73,115.49 U201#10.22 ; R210#4.2 60.1,112.33 v1(59.79,112.64) 59.47,112.32 R209#3.2 ; v1(59.72,101.99) 59.34,101.99 58.97,102.36 IC301#5.8 ; v1(60.44,115.03) 61.04,115.03 U201#10.33 ; 63.09,118.01 U201#10.44 ; 63.09,118.01 v1(62.46,118.01)
  L3_SIG.Cu w0.5: J508.1 J507#6.1
  L8_SIG.Cu w0.127: v1(57.03,117.23) 57.04,117.24 C210#4.1 ; v1(60.44,115.03) 59.24,115.03 C206#10.1 ; 58.7,150.78 58.73,150.76 R208#5.1 ; C211#2.1 62.46,118.28 v1(62.46,118.01) ; R502.2 60.48,151.54
  L8_SIG.Cu w0.15: 60.12,153.33 60.5,152.95 C503.1
  L8_SIG.Cu w0.203: U501#2.2 59.72,153.47 59.87,153.33 60.12,153.33 U501#2.1
  L8_SIG.Cu w0.5: 60.38,150.78 J507#6.1 ; 60.38,150.78 J508.1 ; 60.38,150.78 60.51,150.91 60.51,152.67
Board_4-+1V1: length 10.2
  L1_SIG.Cu w0.127: U201#10.23 58.4,115.59 58.4,115.88 v1(58.1,116.18) ; U201#10.45 63.12,118.61 62.73,118.61 62.01,119.33 v1(61.8,119.33) 61.7,119.44 61.7,120.02 U201#10.50
  L8_SIG.Cu w0.127: v1(61.8,119.33) 61.8,118.76 59.22,116.18 v1(58.1,116.18)
Board_4-/Addressable RGB LEDs/CLK: length 4.1
  L1_SIG.Cu w0.127: IC301#5.2 59.47,96.94 59.07,96.54 LED301#2.4
Board_4-/Addressable RGB LEDs/DATA: length 4.1
  L1_SIG.Cu w0.127: IC301#5.3 59.97,96.99 60.37,96.59 LED301#2.3
Board_4-/RP2040/ADC0: length 26.2